# Altium PCB all.PcbDoc (part 2 of 2)
Units mm, origin at the board's own origin, x right, y up, seen from the top; angles counter-clockwise.
Board outline 118.75 x 150 mm, 2 copper layers (Top Layer, Bottom Layer); 188 components, 149 nets, 745 pads, 106 vias.
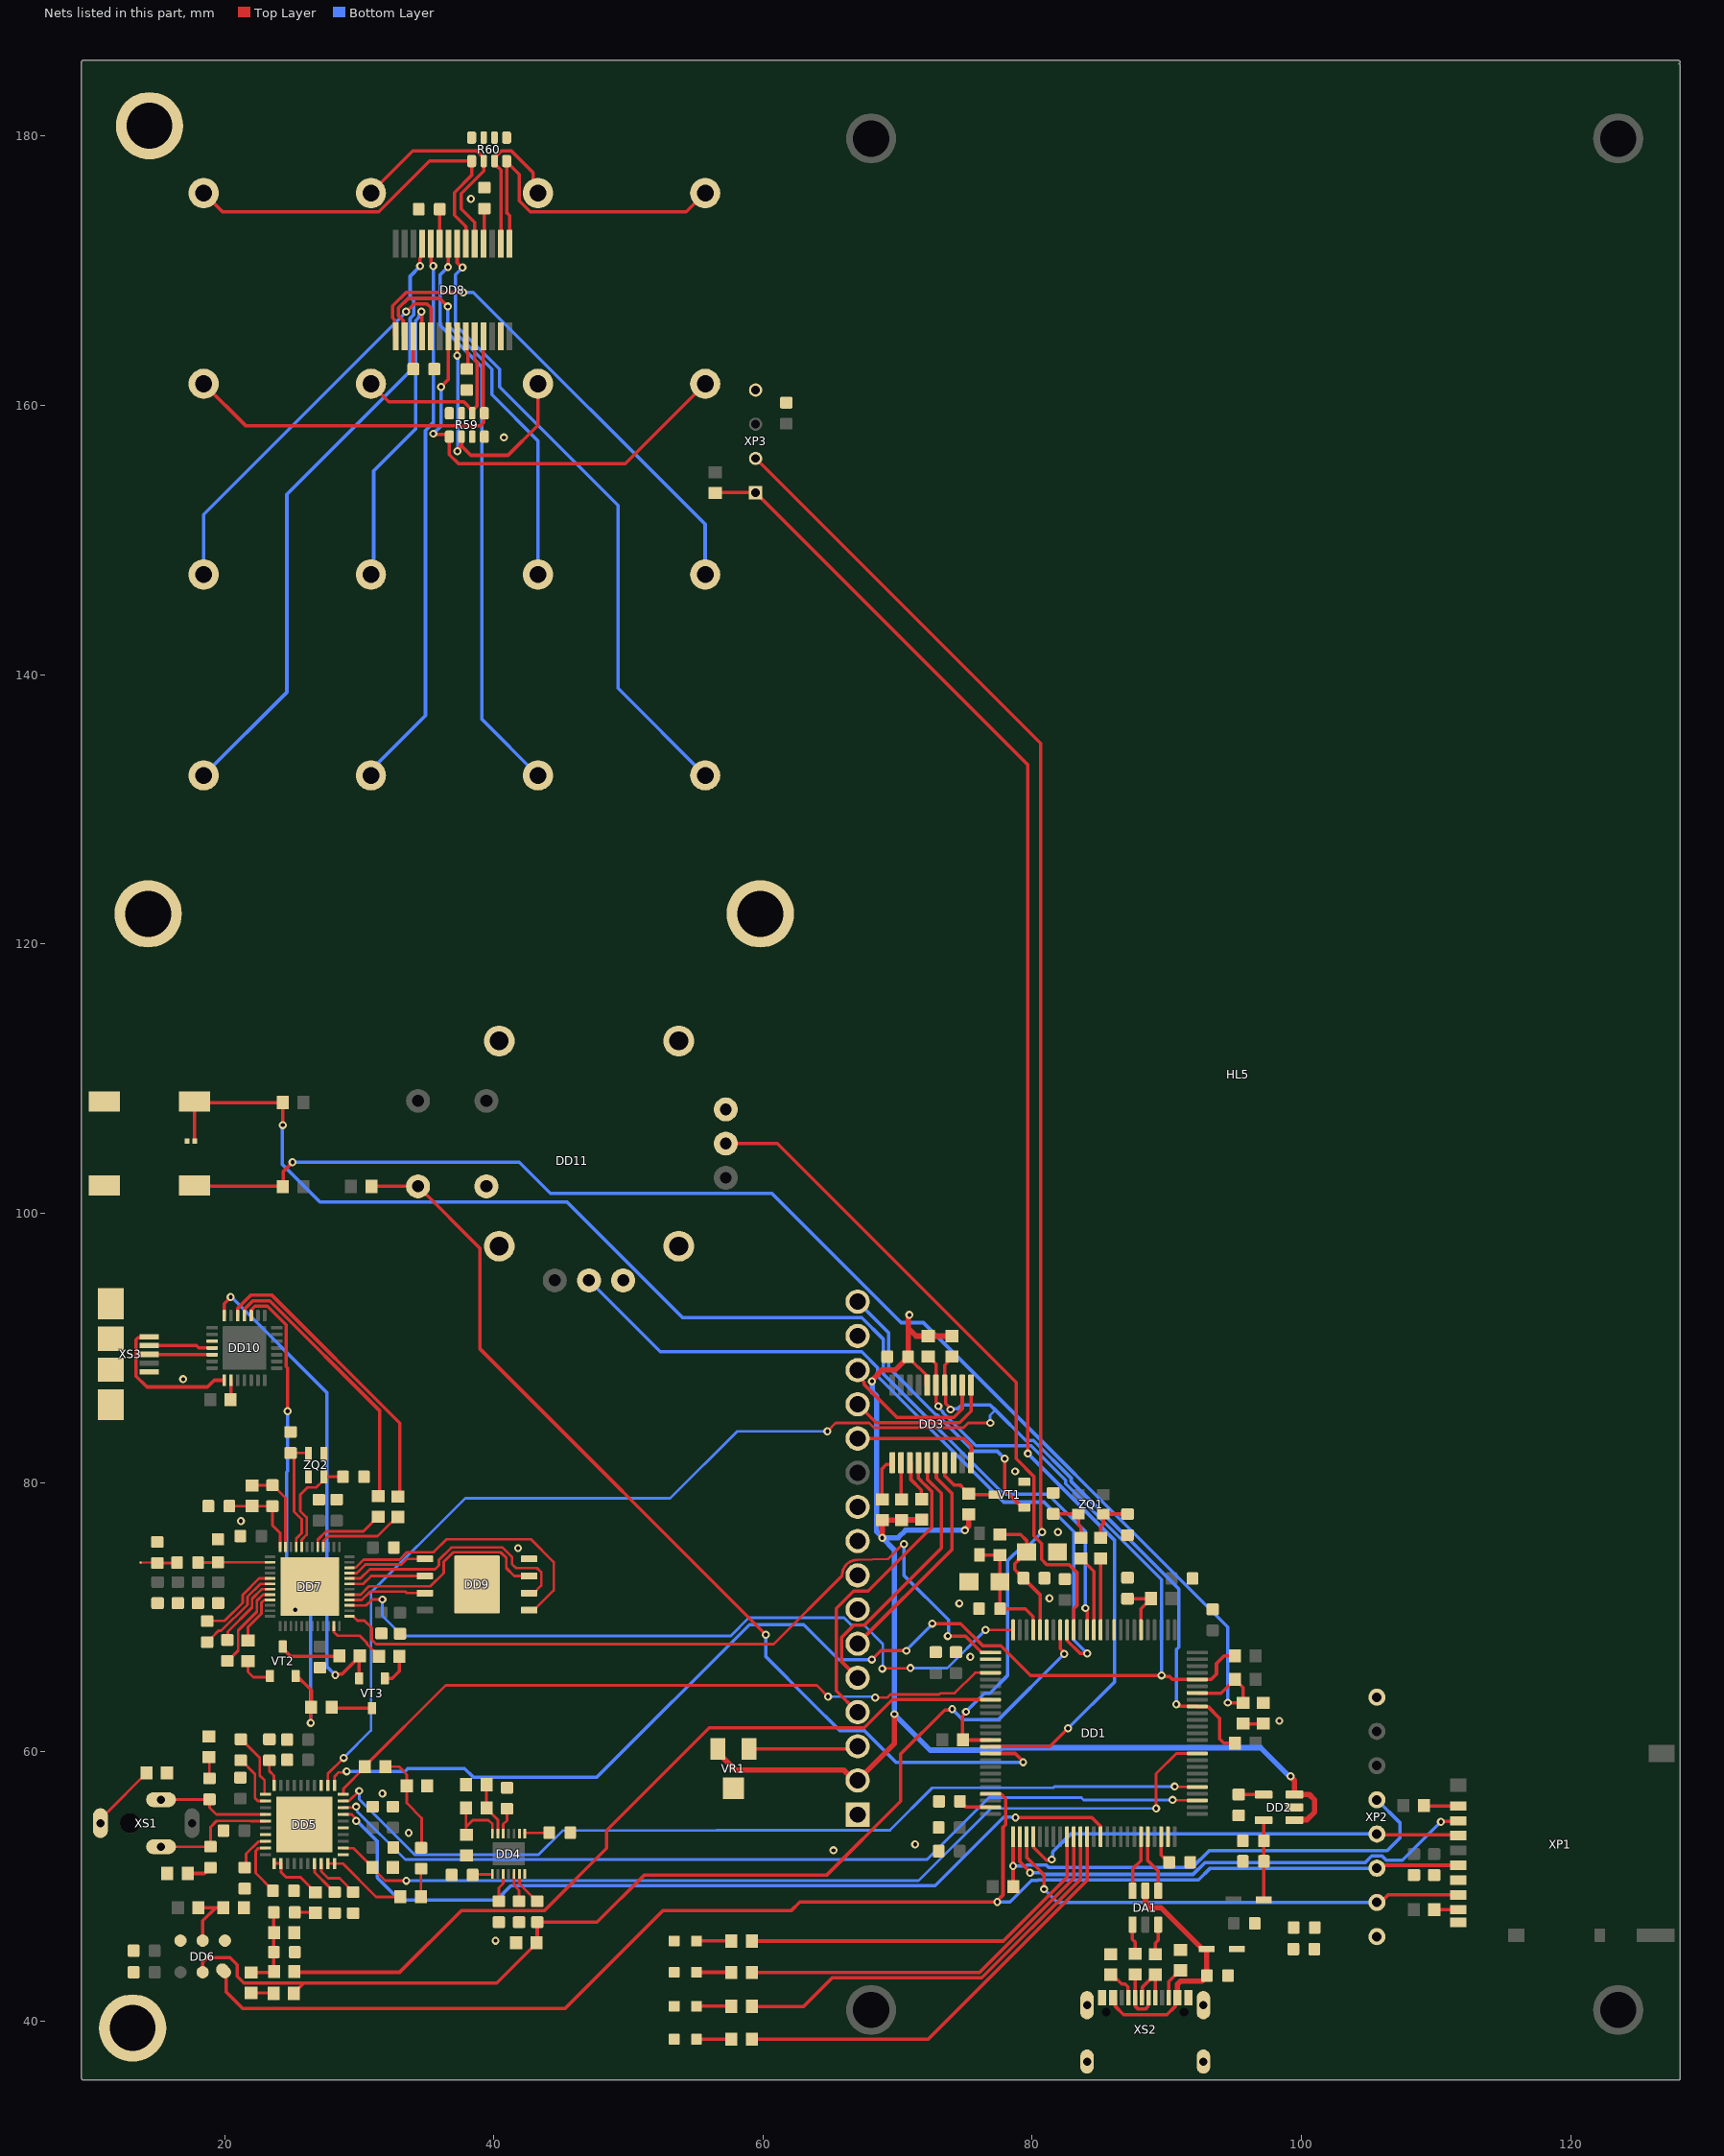
[diagram p2: the nets of this part, all layers, seen from the top]

## Via types
v1: diameter 0.6, hole 0.3, Top Layer to Bottom Layer, 106 vias

## Nets (pads, with @x,y where several pads share a name; then routed paths per layer and width w, separated by ;. In a path a pad name is that pad's centre, name@x,y a point inside that pad or via, vN(x,y) a via of type N, cw(c..) or ccw(c..) an arc to the next point about the centre after c; other vN are vias at no path point) (continued)
5V: C3.2 C6.2 C24.2 DD2.1 DD2.3 DD3.16 HL5.2 R16.2 R17.2 R19.2 R21.2 R22.2 R24.2 VD2.2 VR1.1 | length 104.7
  Top Layer w0.254: C24.2@70.78,89.32 71.547,88.553 71.578,88.553 72.117,88.014 72.117,87.233 DD3.16@72.2,87.15
  Top Layer w0.4: VR1.1@56.525,60.075 57.95,58.65 65.991,58.65 66.771,57.87 HL5.2@67.025,57.87 69.75,60.595 v1(69.75,62.8) ; v1(68.091,87.522) 68.091,87.576 68.529,88.014 68.529,88.074 68.815,88.36 69.82,88.36 70.78,89.32 C24.2@70.78,89.35 70.802,89.372 70.802,91.45 ; v1(68.85,75.9) 68.854,75.903 68.854,77.217 R19.2@68.857,77.22 70.27,77.22 70.282,77.233 71.769,77.233 R24.2@71.782,77.245 ; v1(70.875,92.45) 70.837,92.412 70.837,92.27 70.802,92.236 70.802,91.45 ; R16.2@72.268,90.88 71.373,90.88 70.802,91.45 ; R16.2@72.295,90.88 R17.2@74.018,90.88 ; v1@75.025,76.525 75.282,76.782 R22.2@75.282,77.645 ; v1(99.193,58.19) 99.193,58.136 99.47,57.859 DD2.3@99.47,56.825 100.575,56.825 100.975,56.425 100.975,55.529 100.401,54.954 99.915,54.954 DD2.1@99.86,54.9 ; C3.2@99.395,45.35 C3.2@99.408,45.363 ; C3.2@99.3,45.35 99.35,45.4 99.348,45.398 C3.2@99.3,45.35 ; C6.2@99.408,46.957 99.425,46.975 99.41,46.96 C6.2@99.408,46.957
  Bottom Layer w0.4: v1(68.091,87.522) 68.13,87.484 68.13,86.742 68.45,86.422 68.45,76.354 68.85,75.954 v1(68.85,75.9) ; v1@74.975,76.479 74.946,76.45 70.581,76.45 70.031,75.9 v1(68.85,75.9) ; v1@99.175,58.1 96.975,60.3 77.739,60.3 77.566,60.127 72.423,60.127 v1(69.75,62.8) 69.75,75 v1(68.85,75.9)
  other v1: 75,76.45
BL-: HL5.16 VT1.1 | length 21.6
  Top Layer w0.254: v1(77.95,81.775) 77.95,79.45 79.25,78.15 VT1.1@79.4,78.15
  Bottom Layer w0.254: HL5.16@67.025,93.43 69.325,91.13 69.325,88.559 72.865,85.019 72.944,85.019 75.64,82.323 77.402,82.323 v1(77.95,81.775)
BOOT: DD1.94 R4.1 R13.1 R14.2 SB1.2 | length 103.7
  Top Layer w0.254: SB1.2@18.501,102.025 24.35,102.025 24.35,103.1 v1(25.05,103.8) ; DD1.94@92.275,64.35 94.028,64.35 94.702,65.024 94.737,65.024 R13.1@95.06,65.347 ; v1(94.525,63.65) 95.648,63.65 R14.2@95.668,63.63 95.668,64.774 95.418,65.024 95.383,65.024 R13.1@95.06,65.347 ; R13.1@95.06,65.382 R13.1@95.06,65.347
  Bottom Layer w0.254: v1(25.05,103.8) 41.879,103.8 44.21,101.469 60.651,101.469 70.247,91.873 71.911,91.873 94.525,69.259 v1(94.525,63.65)
CHIP_PU: DD7.9 R45.2 | length 5
  Top Layer w0.2: DD7.9@23.379,71.275 23.377,71.273 22.941,71.273 22.748,71.08 22.748,70.263 21.75,69.265 ; 21.75,69.265 21.75,68.225 21.75,69.265
CLK: DD7.31 DD9.6 | length 5.9
  Top Layer w0.2: DD7.31@29.252,72.477 29.253,72.475 30.3,72.475 30.885,73.06 DD9.6@34.88,73.06
DB5: DD3.10 HL5.12 | length 11.3
  Top Layer w0.254: HL5.12@67.025,83.27 74.905,83.27 75.475,82.7 ; 75.475,82.7 75.475,81.4 75.475,82.7
DB6: DD3.11 HL5.13 | length 11.3
  Top Layer w0.254: HL5.13@67.025,85.81 68.391,84.444 74.592,84.444 75.45,85.302 DD3.11@75.45,87.23
DB7: DD3.12 HL5.14 | length 11.7
  Top Layer w0.254: HL5.14@67.025,88.35 67.025,87.932 67.514,87.442 67.514,87.283 69.949,84.848 74.164,84.848 74.8,85.484 DD3.12@74.8,87.325
DTR: DD10.28 R46.1 VT3.2 | length 37
  Top Layer w0.254: DD10.28@19.975,92.4 19.975,93.287 20.45,93.762 v1(20.45,93.775) ; v1(28.225,65.7) 28.291,65.766 28.723,65.766 R46.1@30,67.043 ; VT3.2@30.025,65.5 30,65.525 R46.1@30,67.043 ; R46.1@30,67.043 30.04,67.083 R46.1@30.04,67.118 30,67.078 R46.1@30,67.043
  Bottom Layer w0.254: v1(20.45,93.775) 20.5,93.775 27.6,86.675 27.6,66.325 v1(28.225,65.7)
E: DD3.6 HL5.6 | length 18
  Top Layer w0.254: HL5.6@67.025,68.03 74.044,75.049 74.044,79.181 72.875,80.35 ; 72.875,80.35 72.875,81.5 72.875,80.35
ESP_RX: DD1.25 DD7.27 | length 55.8
  Top Layer w0.2: DD7.27@29.271,70.875 30.525,70.875 30.965,71.315 31.69,71.315 v1@31.7,71.325 ; v1(68.85,66.175) 68.875,66.2 70.925,66.2 v1(70.95,66.225) ; v1(76.525,69.05) 78.535,69.05 78.575,69.09 DD1.25@78.575,69.1
  Bottom Layer w0.2: v1(31.725,71.315) 31.725,70.1 33.225,68.6 57.601,68.6 58.951,69.95 66.019,69.95 66.549,69.42 67.48,69.42 68.9,68 68.9,66.225 v1(68.85,66.175) ; v1(70.95,66.225) 73.7,66.225 v1(76.525,69.05)
ESP_TX: DD1.26 DD7.25 | length 57.5
  Top Layer w0.2: DD7.25@29.549,70.077 29.876,69.75 30.384,69.75 30.935,69.199 30.935,68.32 31.255,68 60.799,68 65.876,73.076 cw(c67.025,73.11) 66.816,74.241 66.903,74.257 66.994,74.26 cw(c67.025,73.11) 66.997,74.26 69.267,74.318 70.379,75.43 v1@70.47,75.43
  Top Layer w0.254: v1(73.725,68.6) 75.03,68.6 76.242,67.388 76.874,67.388 DD1.26@76.9,67.362
  Bottom Layer w0.254: v1(70.475,75.425) 70.475,73.1 73.775,69.8 73.775,68.65 v1(73.725,68.6)
GND: C1.2 C2.1 C3.1 C4.1 C5.1 C6.1 C7.1 C8.1 C9.2 C10.2 C11.1 C12.1 C13.1 C14.1 C15.1 C16.1 C17.1 C18.1 C19.1 C20.1 C21.1 C22.2 C23.2 C24.1 C25.2 C26.2 C27.2 C28.2 C30.2 C33.1 C34.1 C35.1 C37.1 C39.1 C40.1 C42.2 C43.1 C44.1 C46.1 C47.1 C48.1 C49.1 C50.1 C51.2 C52.2 C53.2 C54.2 C55.2 C56.1 C57.1 C58.1 C59.1 C60.1 C63.1 C65.2 C66.1 C67.1 C68.1 C69.2 C70.1 C71.2 C72.1 C73.2 C74.1 C75.1 C76.1 C77.2 DD1.10 DD1.20 DD1.27 DD1.74 DD2.2 DD3.8 DD3.13 DD4.7 DD4.9 DD5.3 DD5.17 DD5.31 DD5.35 DD5.41 DD6.1 DD6.3 DD7.49 DD8.27 DD9.4 DD9.9 DD10.3 DD11.B2A DD11.H3 DD11.S1 DD11.S2 DD11.S3 DD11.S4 DD11.V3 HL1.2 HL2.2 HL3.2 HL4.2 HL5.1 HL5.7 HL5.8 HL5.9 HL5.10 HL5.15 L2.1 pad. R15.2 R18.1 R20.1 R25.2 R26.1 R27.2 R28.1 R29.2 R34.2 R35.2 R36.2 R47.1 R48.1 R59.3 R59.4 R59.7 R59.8 R60.1 R60.2 R60.3 R60.4 SB1.1 SB2.1 VR1.2 VT1.2 XP1.6 XP1.9 XP2.1 XP2.8 XP3.4 XS2.A1_B12 XS2.B1_A12 XS2.MS XS3.5 XS3.SH1 XS3.SH2 XS3.SH3 XS3.SH4 ZQ2.2 ZQ2.4
  other v1: 40.125,45.975 65.235,52.687 71.3,53.125 33.675,53.975 31.725,56.9 98.35,62.3 75.4,67.05 25.25,70.55 74.575,71.025 81.275,71.4 41.8,75.125 81.9,76.325 21.21,77.137 78.725,80.825 16.925,87.675 40.75,157.625 38.3,175.35
GPIO0: DD7.23 R54.2 | length 4.6
  Top Layer w0.2: DD7.23@28.125,69.329 28.127,69.327 28.127,68.891 28.392,68.625 30.055,68.625 30.587,68.092 30.587,68.011 R54.2@31.525,67.073
Micbias: DD4.13 R20.2 R23.2 | length 4
  Top Layer w0.2: R23.2@39.455,55.82 R20.2@39.455,57.557 ; DD4.13@40.3,53.921 40.3,54.94 R23.2@39.45,55.79 ; R23.2@39.45,55.79 39.45,55.825 R23.2@39.45,55.79
NetA1_1: A1.1 C61.2 C63.2 | length 2.7
  Top Layer w0.16: A1.1@13.75,74.05 C63.2@14.975,74.05
  Top Layer w0.2: C63.2@14.975,74.05 C63.2@15,74.025 ; C63.2@15,74.02 16.42,74.02 C61.2@16.425,74.025
NetC1_1: C1.1 C2.2 DD1.21 R2.1 | length 10
  Top Layer w0.254: R2.1@77.582,76.14 79.135,76.14 79.575,75.7 C1.1@79.575,74.85 79.523,74.85 79,74.327 79,74.274 78.7,73.975 78.7,73.545 79.007,73.238 79.037,73.238 79.345,72.93 C2.2@79.345,72.9 ; C2.2@79.345,72.87 79.653,72.562 79.683,72.562 80.575,71.67 DD1.21@80.575,69.055
NetC4_2: C4.2 C8.2 DD2.5 VD1.1 | length 5.9
  Top Layer w0.254: VD1.1@97.05,48.95 VD1.1@97.065,48.935 ; DD2.5@97.18,54.925 97.205,54.9 C4.2@97.205,53.47 ; VD1.1@97.193,49 97.205,49.012 C8.2@97.205,51.855 ; C8.2@97.205,51.87 C4.2@97.205,53.375 ; C8.2@97.205,51.855 97.225,51.875 97.215,51.865 C8.2@97.205,51.855
NetC5_2: C5.2 DD1.49 | length 2.5
  Top Layer w0.254: C5.2@74.63,56.325 74.63,56.295 74.938,55.987 74.988,55.987 75.087,55.888 76.882,55.888 DD1.49@76.895,55.875
NetC7_2: C7.2 DD2.4 | length 1.9
  Top Layer w0.254: C7.2@95.325,56.83 95.328,56.828 97.178,56.828 DD2.4@97.2,56.85
NetC9_1: C9.1 C10.1 DD1.22 L1.2 R2.2 | length 12.7
  Top Layer w0.254: L1.2@76.1,74.625 76.105,74.62 R2.2@77.582,74.62 ; DD1.22@80.075,68.9 DD1.22@80.062,68.913 ; C9.1@77.605,72.495 77.475,72.625 77.537,72.562 C9.1@77.605,72.495 ; C9.1@77.605,72.495 C10.1@77.605,70.625 79.475,70.625 80.062,70.038 ; DD1.22@80.062,68.913 80.062,70.038 ; DD1.22@80.062,68.913 80.062,70.038 ; C9.1@77.6,72.625 77.6,74.625 C9.1@77.6,72.625
NetC12_2: C12.2 DD1.73 | length 3.5
  Top Layer w0.254: DD1.73@89.575,53.695 89.575,52.35 ; C12.2@90.3,51.525 C12.2@90.3,51.625 ; 89.575,52.35 C12.2@90.3,51.625 ; 89.575,52.35 C12.2@90.3,51.625
NetC21_2: C21.2 DD1.6 R10.1 | length 4.5
  Top Layer w0.254: C21.2@87.105,71.375 88.825,71.375 R10.1@88.85,71.35 ; DD1.6@88.075,68.95 88.075,70.612 R10.1@88.81,71.347
NetC22_1: C22.1 R11.1 ZQ1.1 | length 3.7
  Top Layer w0.254: C22.1@81.55,77.67 ZQ1.1@83.4,77.67 ; R11.1@83.607,75.89 83.607,76.668 83.425,76.85 ZQ1.1@83.425,77.6 ; ZQ1.1@83.425,77.6 83.4,77.625 ZQ1.1@83.425,77.6
NetC23_1: C23.1 R12.1 ZQ1.2 | length 3.6
  Top Layer w0.254: R12.1@85.082,75.89 85.082,76.707 85.275,76.9 85.275,77.575 ZQ1.2@85.3,77.6 ; ZQ1.2@85.275,77.65 85.28,77.655 87.095,77.655 C23.1@87.1,77.65
NetC25_1: C25.1 DD4.12 | length 1.9
  Top Layer w0.2: DD4.12@40.7,53.921 40.7,54.625 40.975,54.9 C25.1@40.975,55.75
NetC26_1: C26.1 DD4.5 | length 2.2
  Top Layer w0.2: DD4.5@41.5,50.975 41.5,50.105 41.875,49.73 C26.1@41.875,48.905
NetC27_1: C27.1 DD4.8 | length 1.4
  Top Layer w0.2: DD4.8@42.3,53.921 42.3,53.983 42.302,53.985 43.685,53.985
NetC28_1: C28.1 DD4.1 | length 1.5
  Top Layer w0.2: C28.1@38.43,50.85 38.48,50.9 DD4.1@39.898,50.9
NetC29_1: C29.1 DD5.15 XS1.2 | length 9.3
  Top Layer w0.2: XS1.2@15.25,52.95 C29.1@18.87,52.95 ; C29.1@18.95,52.975 18.95,54.408 19.407,54.865 21.955,54.865 21.97,54.85 DD5.15@23.029,54.85
NetC29_2: C29.2 R25.1 | length 1.9
  Top Layer w0.254: R25.1@17.265,50.968 18.493,50.968 C29.2@18.975,51.45
NetC30_1: C30.1 DD4.3 | length 2.2
  Top Layer w0.2: C30.1@40.375,48.905 40.375,49.9 40.7,50.225 DD4.3@40.7,50.929
NetC31_1: C31.1 DD4.6 | length 2.4
  Top Layer w0.2: DD4.6@41.905,50.703 41.905,50.195 43.195,48.905 C31.1@43.225,48.905
NetC32_1: C32.1 DD5.14 XS1.3 | length 8.6
  Top Layer w0.2: DD5.14@23.029,55.35 19.4,55.35 18.898,55.852 18.898,56.447 C32.1@18.875,56.47 18.855,56.45 XS1.3@15.3,56.45 ; XS1.3@15.3,56.45 15.275,56.475 15.288,56.462 XS1.3@15.3,56.45
NetC32_2: C32.2 R27.1 | length 1.2
  Top Layer w0.2: R27.1@18.85,59.55 18.875,59.525 C32.2@18.875,58.38
NetC36_1: C36.1 DD5.11 | length 4.8
  Top Layer w0.2: C36.1@21.2,60.93 21.23,60.93 22.61,59.55 22.61,58.244 22.975,57.879 DD5.11@22.975,56.863
NetC36_2: C36.2 DD5.12 | length 4.1
  Top Layer w0.2: C36.2@21.2,59.37 21.23,59.37 22.26,58.34 22.26,56.565 22.475,56.35 DD5.12@23.029,56.35
NetC38_1: C38.1 R32.1 R34.1 | length 7.7
  Top Layer w0.2: R32.1@31.94,58.893 32.042,58.893 32.957,58.893 33.535,58.315 R34.1@33.535,57.457 33.535,56.193 34.65,55.078 C38.1@34.65,52.875
NetC38_2: C38.2 R31.2 | length 2.1
  Top Layer w0.2: R31.2@34.58,49.232 34.58,51.3 C38.2@34.6,51.32
NetC39_2: C39.2 DD5.10 | length 2
  Top Layer w0.2: C39.2@23.325,59.37 23.325,58.575 23.661,58.239 23.661,57.51 DD5.10@23.675,57.496
NetC40_2: C40.2 C45.1 R36.1 R38.1 R40.1 | length 6.1
  Top Layer w0.254: R38.1@21.982,43.615 23.615,43.615 R40.1@23.675,43.675 ; C45.1@23.625,48.1 23.655,48.07 23.655,46.572 R36.1@23.67,46.557 ; C40.2@23.655,45.125 23.655,46.405 R36.1@23.75,46.5 ; R40.1@23.67,43.682 23.655,43.697 23.655,45.08 C40.2@23.675,45.1
NetC41_1: C41.1 DD7.47 R33.2 | length 6.5
  Top Layer w0.2: R33.2@22.043,79.78 22.068,79.805 23.58,79.805 24.525,78.86 DD7.47@24.525,75.2
NetC41_2: C41.2 C50.2 DD7.48 R33.1 | length 8.2
  Top Layer w0.2: R33.1@22.058,78.245 C41.2@23.55,78.245 23.55,76.82 24.125,76.245 DD7.48@24.125,75.175 ; R33.1@22.05,78.25 C50.2@20.355,78.25 R33.1@22.05,78.25 ; R33.1@22.05,78.25 22.052,78.252 R33.1@22.05,78.25
NetC45_2: C45.2 R37.2 | length 1.6
  Top Layer w0.2: C45.2@25.215,48.075 26.7,48.075 R37.2@26.8,47.975
NetC51_1: C51.1 DD5.19 | length 4.2
  Top Layer w0.2: DD5.19@23.029,52.85 23.015,52.836 22.511,52.836 22.3,52.625 22.3,51 23.5,49.8 C51.1@23.5,49.7
NetC54_1: C54.1 DD5.27 | length 2.7
  Top Layer w0.2: DD5.27@26.675,51.704 26.689,51.69 26.689,51.04 27.815,49.914 C54.1@28.143,49.587
NetC55_1: C55.1 DD5.18 | length 2.7
  Top Layer w0.2: C55.1@21.434,51.575 21.598,51.739 21.598,52.418 22.516,53.336 23.015,53.336 DD5.18@23.029,53.35
NetC59_2: C59.2 DD5.28 | length 3.6
  Top Layer w0.2: DD5.28@27.175,51.704 27.189,51.69 27.189,51.111 27.685,50.615 28.535,50.615 C59.2@29.55,49.6
NetC61_1: C61.1 DD7.2 L2.2 | length 5.4
  Top Layer w0.2: L2.2@19.5,74.075 19.475,74.05 C61.1@18.05,74.05 ; L2.2@19.525,74.075 DD7.2@23.379,74.075 ; C61.1@18.05,74.05 18.025,74.075 C61.1@18.05,74.05
NetC62_1: C62.1 DD7.5 | length 5.9
  Top Layer w0.2: 19.176,69.725 19.995,69.725 21.343,71.073 21.343,71.655 22.563,72.875 DD7.5@23.379,72.875 DD7.5@23.4,72.875
NetC62_2: C62.2 DD7.6 | length 6.8
  Top Layer w0.2: C62.2@18.7,68.145 18.725,68.145 19.06,68.479 19.06,68.505 19.545,68.99 19.755,68.99 21.698,70.933 21.698,71.515 22.658,72.475 DD7.6@23.375,72.475
NetC64_1: C64.1 DD7.8 | length 6.6
  Top Layer w0.2: C64.1@20.2,66.745 20.23,66.745 21.008,67.523 21.008,69.018 22.398,70.408 22.398,71.225 22.848,71.675 DD7.8@23.379,71.675
NetC64_2: C64.2 DD7.7 | length 5.4
  Top Layer w0.2: C64.2@20.2,68.305 20.248,68.353 20.248,68.923 22.048,70.723 22.048,71.37 22.751,72.073 23.373,72.073 DD7.7@23.375,72.075
NetC70_2: C70.2 DD8.4 | length 2.6
  Top Layer w0.254: DD8.4@39.225,172.004 39.3,172.079 C70.2@39.3,174.62
NetC71_1: C71.1 DD8.23 | length 4.2
  Top Layer w0.254: 38.014,163.959 DD8.23@38.014,165.211 ; 38.014,163.959 DD8.23@38.014,165.211 ; 38.014,163.959 38.068,163.905 C71.1@38.068,162.823 ; DD8.23@38.014,165.211 37.935,165.29 DD8.23@38.014,165.211 ; C71.1@38.068,162.823 37.945,162.7 C71.1@38.068,162.823
NetC72_2: C72.2 DD8.9 | length 5.4
  Top Layer w0.254: DD8.9@35.975,171.875 DD8.9@35.978,171.877 ; C72.2@35.98,174.575 C72.2@35.978,174.572 ; DD8.9@35.978,171.877 C72.2@35.978,174.572 ; DD8.9@35.978,171.877 C72.2@35.978,174.572
NetC73_1: C73.1 DD8.17 | length 5
  Top Layer w0.254: C73.1@34.02,162.7 C73.1@34.022,162.702 ; DD8.17@34.023,165.148 34.05,165.175 DD8.17@34.022,165.147 ; C73.1@34.022,162.702 DD8.17@34.022,165.147 ; C73.1@34.022,162.702 DD8.17@34.022,165.147
NetDA1_1: DA1.1 R44.1 | length 2.3
  Top Layer w0.254: DA1.1@87.45,47.15 87.425,47.125 87.425,46.075 87.632,45.868 R44.1@87.632,44.99
NetDA1_3: DA1.3 R43.1 | length 2.3
  Top Layer w0.254: R43.1@89.132,44.965 89.132,45.793 89.35,46.011 DA1.3@89.35,47.15
NetDD3_1: DD3.1 R19.1 | length 3.2
  Top Layer w0.254: R19.1@68.832,78.825 68.832,81.007 69.158,81.333 69.517,81.333 69.6,81.416 DD3.1@69.6,81.47
NetDD3_2: DD3.2 R21.1 | length 2.7
  Top Layer w0.254: R21.1@70.25,78.85 DD3.2@70.25,81.5
NetDD3_3: DD3.3 R24.1 | length 3.3
  Top Layer w0.254: R24.1@71.757,78.825 71.753,78.829 71.753,79.447 70.983,80.217 DD3.3@70.983,81.467 ; DD3.3@70.983,81.467 70.875,81.575 DD3.3@70.983,81.467
NetDD3_7: DD3.7 R22.1 VT1.3 | length 5.9
  Top Layer w0.254: DD3.7@73.475,81.5 73.51,81.465 73.51,80.49 74.175,79.825 74.622,79.825 74.924,79.523 R22.1@74.924,79.488 ; VT1.3@77.2,79.1 R22.1@75.312,79.1 ; R22.1@74.924,79.488 R22.1@75.312,79.1 ; R22.1@74.924,79.488 R22.1@75.312,79.1
NetDD4_14: DD4.14 R23.1 R26.2 | length 5
  Top Layer w0.2: R26.2@37.935,53.91 37.935,54.425 ; R23.1@37.935,55.82 37.935,54.425 ; R26.2@38.25,53.8 R26.2@38.31,53.86 ; DD4.14@39.9,53.921 39.9,54.625 39.6,54.925 38.435,54.925 37.935,54.425
NetDD5_21: DD5.21 DD5.22 R37.1 | length 4.4
  Top Layer w0.2: DD5.21@23.675,51.725 24.161,51.725 24.189,51.696 24.189,51.061 24.572,50.678 25.644,50.678 26.372,49.95 26.372,49.915 26.722,49.565 R37.1@26.757,49.565
NetDD5_29: DD5.29 DD5.30 R31.1 | length 6.3
  Top Layer w0.2: DD5.29@27.689,51.704 DD5.30@28.175,51.704 28.774,51.704 31.246,49.232 R31.1@32.935,49.232
NetDD6_2: DD6.2 R30.2 R35.1 | length 4.8
  Top Layer w0.254: R30.2@18.055,48.407 19.325,48.407 ; DD6.2@18.375,45.88 18.375,47.457 19.325,48.407 ; 19.325,48.407 R35.1@19.893,48.407 ; R35.1@19.893,48.407 19.925,48.375 19.901,48.399 R35.1@19.893,48.407
NetDD10_4: DD10.4 XS3.2 | length 4.7
  Top Layer w0.254: XS3.2@14.4,90.175 17.915,90.175 18.09,90 18.133,90 DD10.4@19.075,90
NetDD10_5: DD10.5 XS3.3 | length 4.7
  Top Layer w0.254: XS3.3@14.4,89.525 14.412,89.513 18.718,89.513 19.062,89.513 DD10.5@19.075,89.5
NetDD10_8: DD10.8 XS3.1 | length 10.9
  Top Layer w0.254: XS3.1@14.4,90.825 14.327,90.752 13.572,90.752 13.423,90.603 13.423,87.91 14.235,87.098 18.735,87.098 19.237,87.6 DD10.8@19.975,87.6
NetDD10_9: DD10.9 R56.2 | length 1.3
  Top Layer w0.254: R56.2@20.462,86.273 20.462,87.587 DD10.9@20.475,87.6
NetDD10_25: DD10.25 R58.1 | length 20.5
  Top Layer w0.254: DD10.25@21.488,92.388 21.488,92.9 22.094,93.506 23.356,93.506 31.507,85.355 R58.1@31.507,78.99
NetDD10_26: DD10.26 R57.1 | length 22.3
  Top Layer w0.254: DD10.26@20.975,92.4 20.988,92.413 20.988,92.971 21.927,93.91 23.523,93.91 33.025,84.408 R57.1@33.025,79.025
NetHL1_1: HL1.1 R1.2 | length 5.2
  Top Layer w0.254: R1.2@57.8,45.975 R1.2@57.775,45.95 ; R1.2@57.775,45.95 55.2,45.95 R1.2@57.775,45.95
NetHL2_1: HL2.1 R3.2 | length 5.2
  Top Layer w0.254: R3.2@57.8,43.6 R3.2@57.775,43.625 ; R3.2@57.775,43.625 55.175,43.625 R3.2@57.775,43.625
NetHL3_1: HL3.1 R6.2 | length 5.3
  Top Layer w0.254: R6.2@57.825,41.075 R6.2@57.8,41.1 ; R6.2@57.8,41.1 55.15,41.1 R6.2@57.8,41.1
NetHL4_1: HL4.1 R8.2 | length 5.3
  Top Layer w0.254: HL4.1@55.05,38.65 57.675,38.65 HL4.1@55.05,38.65
NetHL5_3: HL5.3 VR1.3 | length 8.2
  Top Layer w0.254: VR1.3@58.95,60.2 66.815,60.2 HL5.3@67.025,60.41
NetR14_1: R14.1 R15.1 | length 1.5
  Top Layer w0.254: R14.1@95.668,62.11 95.703,62.075 R15.1@97.175,62.075
NetR18_2: R18.2 XS1.1 | length 5.6
  Top Layer w0.2: R18.2@14.195,58.443 14.195,58.408 11.215,55.428 11.194,55.428 XS1.1@10.75,54.983 ; XS1.1@10.75,54.983 10.75,54.65 XS1.1@10.75,54.983
NetR38_2: R38.2 R39.1 | length 1.8
  Top Layer w0.2: R38.2@21.982,42.095 23.77,42.095 R39.1@23.775,42.1
NetR41_1: R41.1 XP1.1 | length 5.4
  Top Layer w0.254: R41.1@109.075,55.975 XP1.1@111.65,55.975 R41.1@109.075,55.975 ; R41.1@109.075,56.1 109.15,56.025 109.124,56.051 R41.1@109.075,56.1
NetR42_1: R42.1 XP1.8 | length 1.9
  Top Layer w0.254: XP1.8@111.675,48.3 XP1.8@111.65,48.275 R42.1@109.922,48.275 ; R42.1@109.922,48.275 109.865,48.218 R42.1@109.922,48.275
NetR43_2: R43.2 XS2.A6 XS2.B6 | length 3.9
  Top Layer w0.254: XS2.A6@88.15,41.675 88.163,41.688 88.163,42.511 89.097,43.445 R43.2@89.132,43.445 ; XS2.B6@89.14,41.74 R43.2@89.14,43.437
NetR44_2: R44.2 XS2.A7 XS2.B7 | length 4.3
  Top Layer w0.254: R44.2@87.625,43.5 87.64,43.485 XS2.B7@87.64,41.74 ; XS2.B7@87.65,41.85 87.663,41.837 87.663,41.1 87.875,40.888 88.405,40.888 88.617,41.1 88.617,41.717 XS2.A7@88.64,41.74
NetR45_1: R45.1 VT2.1 | length 2.6
  Top Layer w0.2: R45.1@21.743,66.735 21.743,65.932 22.125,65.55 23.3,65.55 VT2.1@23.35,65.6
NetR46_2: R46.2 VT2.3 | length 4.6
  Top Layer w0.254: VT2.3@24.325,67.825 24.325,67.675 24.907,67.093 28.495,67.093 R46.2@28.52,67.068
NetR47_2: R47.2 XS2.B5 | length 2.4
  Top Layer w0.254: XS2.B5@90.14,41.74 90.14,42.938 90.972,43.77 R47.2@91.007,43.77
NetR48_2: R48.2 XS2.A5 | length 3.1
  Top Layer w0.254: XS2.A5@87.14,41.74 87.117,41.763 87.117,42.533 86.899,42.751 86.649,42.751 86.278,43.122 R48.2@86.028,43.122 ; R48.2@86.028,43.122 85.7,43.45 R48.2@86.028,43.122
NetR52_2: R52.2 VT3.3 | length 3
  Top Layer w0.254: R52.2@27.955,63.307 28.012,63.25 VT3.3@30.975,63.25
NetR54_1: R54.1 VT3.1 | length 3.6
  Top Layer w0.254: VT3.1@31.9,65.45 32.45,65.45 32.975,65.975 ; 32.975,65.975 32.975,67.15 32.975,65.975
NRST: C11.2 DD1.14 R5.1 SB2.2 | length 93.8
  Top Layer w0.254: SB2.2@17.725,108.25 17.781,108.194 C11.2@17.781,105.35 ; SB2.2@17.875,108.225 24.275,108.225 R5.1@24.325,108.275 ; v1(24.325,106.55) 24.325,108.222 R5.1@24.335,108.232 ; v1(83.95,70.675) 83.95,70.581 84.075,70.456 DD1.14@84.075,69.055
  Bottom Layer w0.254: v1(24.325,106.55) 24.275,106.5 24.275,103.65 27.091,100.834 45.44,100.834 54.021,92.253 67.327,92.253 68.921,90.659 68.921,88.079 77.869,79.131 81.169,79.131 83.95,76.35 v1(83.95,70.675)
PA4: DD1.29 DD5.40 R32.2 | length 53
  Top Layer w0.2: DD5.40@28.821,56.85 28.821,57.259 30.438,58.875 30.5,58.938 R32.2@30.5,58.95 ; R32.2@30.42,58.893 30.42,58.928 36.417,64.925 64,64.925 v1(64.825,64.1) ; v1(68.325,64.025) 69.231,64.025 69.458,64.252 73.08,64.252 73.182,64.354 74.236,64.354 75.757,65.875 DD1.29@77,65.875
  Bottom Layer w0.2: v1(64.825,64.1) 68.25,64.1 v1(68.325,64.025)
PB6: DD1.92 DD3.14 DD5.2 R7.1 R17.1 | length 110.7
  Top Layer w0.2: DD5.2@27.675,57.496 27.675,58.375 v1@28.825,59.525 ; v1(64.775,83.8) 65.395,84.42 67.882,84.42 68.235,84.067 74.886,84.067 75.244,84.425 v1(76.875,84.425)
  Top Layer w0.254: v1(73.925,85.425) 73.925,85.519 73.576,85.868 73.576,87.154 DD3.14@73.5,87.23 73.5,88.725 74.025,89.25 R17.1@74.025,89.4 ; v1@90.675,63.525 90.794,63.525 90.944,63.375 DD1.92@92.255,63.375 ; DD1.92@92.2,63.388 92.226,63.362 93.039,63.362 93.923,62.478 93.923,60.952 94.243,60.632 R7.1@95.06,60.632
  Bottom Layer w0.2: v1(28.85,59.55) 30.875,61.575 30.875,71.828 37.872,78.825 53.1,78.825 58.075,83.8 v1(64.775,83.8) ; v1(76.875,84.425) 76.875,85 77.258,85.383
  Bottom Layer w0.254: v1(73.925,85.425) 73.991,85.491 74.474,85.491 74.733,85.75 76.891,85.75 77.258,85.383 79.51,83.131 80.081,83.131 82.885,80.327 82.885,80.083 90.875,72.093 90.875,67.78 90.7,67.605 v1(90.7,63.525)
PB9: DD1.96 DD3.15 DD5.1 R9.1 R16.1 | length 111.2
  Top Layer w0.2: DD5.1@28.175,57.496 28.175,58.166 28.483,58.473 28.998,58.473 v1(29.075,58.55)
  Top Layer w0.254: v1(68.075,66.85) 68.75,67.525 70.625,67.525 v1(70.65,67.5) ; R16.1@72.25,89.388 72.85,88.788 72.85,85.944 73.025,85.769 v1(73.025,85.675) ; v1(72.575,69.525) 74.676,69.525 76.326,67.875 77.666,67.875 79.866,65.675 v1(89.6,65.675) ; v1@89.6,65.7 89.691,65.609 90.174,65.609 90.408,65.375 DD1.96@92.255,65.375 ; DD1.96@92.255,65.384 92.259,65.388 93.288,65.388 93.683,65.783 93.683,66.558 94.257,67.132 R9.1@95.06,67.132
  Bottom Layer w0.254: v1(29.075,58.55) 33.404,58.55 33.604,58.75 37.839,58.75 38.464,58.125 47.659,58.125 58.984,69.45 63.016,69.45 65.613,66.853 68.072,66.853 v1(68.075,66.85) ; v1(70.65,67.5) 70.65,67.55 72.575,69.475 v1(72.575,69.525) ; v1(73.025,85.675) 73.025,85.581 73.348,85.258 73.348,85.186 75.807,82.727 79.914,82.727 82.481,80.16 82.481,79.915 89.6,72.796 v1(89.6,65.675)
PB10: DD1.47 DD6.6 XP1.5 XP2.6 | length 107.3
  Top Layer w0.254: DD6.6@19.925,43.73 20.11,43.545 20.11,42.165 21.325,40.95 45.3,40.95 52.543,48.193 62.08,48.193 62.737,48.85 v1(77.4,48.85) 77.4,48.944 77.825,49.369 77.825,54.392 78.025,54.592 78.025,56.516 77.679,56.862 76.908,56.862 DD1.47@76.895,56.875 ; XP2.6@105.6,51.375 105.774,51.549 106.231,51.549 106.257,51.575 XP1.5@111.65,51.575
  Bottom Layer w0.254: v1(77.4,48.85) 78.35,48.85 79.948,50.448 80.407,50.448 80.436,50.477 92.343,50.477 93.221,51.355 XP2.6@105.6,51.355
PB12: DD1.51 R49.1 XP2.4 | length 36.6
  Top Layer w0.254: R49.1@78.575,50.35 DD1.51@78.575,53.695
  Bottom Layer w0.254: v1(78.575,51.525) 79.509,51.525 79.586,51.602 81.034,51.602 81.211,51.425 91.902,51.425 93.148,52.671 106.145,52.671 106.153,52.663 106.363,52.663 107.325,53.625 107.325,54.71 XP2.4@105.6,56.435
PB13: DD1.52 XP1.2 | length 36.7
  Top Layer w0.254: DD1.52@79.075,53.625 79.075,51.833 79.825,51.083 v1(79.825,51.025) ; v1@110.325,54.775 110.387,54.837 111.612,54.837 XP1.2@111.65,54.875
  Bottom Layer w0.254: v1(79.825,51.025) 80.671,51.025 80.802,50.894 91.942,50.894 92.823,51.775 104.73,51.775 105.222,52.267 105.978,52.267 106.295,51.95 107.5,51.95 v1(110.35,54.8)
PB14: DD1.53 XP1.7 XP2.7 | length 36.2
  Top Layer w0.254: DD1.53@79.575,53.695 79.575,52.168 80.875,50.868 v1(80.875,49.8) ; XP1.7@111.65,49.375 106.435,49.375 XP2.7@105.885,48.825 ; XP2.7@105.885,48.825 105.575,48.825 XP2.7@105.885,48.825
  Bottom Layer w0.254: v1(80.875,49.8) 81.86,48.815 XP2.7@105.6,48.815
PB15: DD1.54 XP1.3 XP2.5 | length 39.8
  Top Layer w0.254: DD1.54@80.088,53.638 80.088,52.911 81.058,51.941 81.389,51.941 v1(81.45,52.002) ; XP2.5@105.575,53.85 XP2.5@105.59,53.835 ; XP1.3@111.65,53.775 XP1.3@111.59,53.835 ; XP2.5@105.59,53.835 XP1.3@111.59,53.835 ; XP2.5@105.59,53.835 XP1.3@111.59,53.835
  Bottom Layer w0.254: v1(81.45,52.002) 81.516,52.068 81.516,52.566 82.845,53.895 XP2.5@105.6,53.895
PC1: DD1.16 DD11.H2 | length 50.3
  Top Layer w0.254: DD11.H2@57.23,105.175 61.05,105.175 78.798,87.427 78.798,81.767 80.127,80.438 80.127,76.043 80.7,75.47 80.7,74.28 81.072,73.908 82.742,73.908 83.317,73.333 83.317,70.859 83.075,70.617 DD1.16@83.075,69
PC2: DD1.17 DD11.V2 | length 56.3
  Top Layer w0.254: DD1.17@82.575,69.055 82.588,69.042 82.588,68.271 83.559,67.3 v1(84.075,67.3)
  Bottom Layer w0.254: DD11.V2@47.06,95.025 52.372,89.713 67.327,89.713 68.517,88.523 68.517,87.912 77.881,78.548 80.877,78.548 83.075,76.35 83.075,68.3 v1(84.075,67.3)
PC3: C31.2 DD1.18 DD6.5 R28.2 R39.2 | length 82.5
  Top Layer w0.254: DD6.5@18.375,43.625 18.375,44.35 18.75,44.725 20.4,44.725 20.95,44.175 20.95,43.32 21.448,42.822 25.888,42.822 ; R39.2@25.155,42.057 25.155,42.092 25.888,42.825 26.3,42.825 ; 26.3,42.822 40.205,42.822 R28.2@42.852,45.47 ; R28.2@43.1,45.692 R28.2@43.1,45.85 ; C31.2@43.2,47.375 43.225,47.35 43.225,45.877 R28.2@43.205,45.857 ; C31.2@43.225,47.345 47.674,47.345 51.159,50.83 64.717,50.83 70.227,56.34 70.227,59.843 73.493,63.109 73.984,63.109 v1(74.05,63.175) ; DD1.18@82.075,69.055 82.075,67.669 82.375,67.369 v1(82.375,67.275)
  Bottom Layer w0.254: v1(74.05,63.175) 74.852,62.373 77.473,62.373 v1(82.375,67.275)
PC4: DD1.33 R40.2 | length 60.4
  Top Layer w0.254: R40.2@25.606,43.625 33,43.625 37.568,48.193 43.741,48.193 48.375,52.827 48.375,54.15 55.998,61.773 67.513,61.773 69.615,63.875 DD1.33@76.887,63.875
PC7: DD1.64 DD5.37 | length 64.2
  Top Layer w0.2: DD5.37@28.825,55.35 29.45,55.35 29.697,55.103 29.697,54.95 v1(29.774,54.874)
  Top Layer w0.254: v1(78.752,55.121) 84.42,55.121 85.062,54.479 DD1.64@85.062,53.663
  Bottom Layer w0.254: v1(29.774,54.874) 29.833,54.874 31.35,53.356 31.35,50.65 33.025,48.975 40.2,48.975 41.273,50.048 72.773,50.048 77.875,55.15 78.723,55.15 v1(78.752,55.121)
PC10: DD1.78 DD5.38 | length 67.3
  Top Layer w0.2: DD5.38@28.821,55.85 28.835,55.864 29.714,55.864 v1(29.774,55.924) ; v1(90.425,56.425) 90.45,56.4 92.325,56.4 DD1.78@92.35,56.375
  Bottom Layer w0.2: v1(29.774,55.924) 29.85,55.847 29.85,55.575 33.425,52 72.175,52 76.775,56.6 83.646,56.6 83.821,56.425 v1(90.425,56.425)
PC12: DD1.80 DD5.39 | length 68.2
  Top Layer w0.2: DD5.39@28.821,56.35 28.835,56.364 29.268,56.364 v1(30,57.096) ; v1(90.575,57.425) 90.6,57.4 92.23,57.4 DD1.80@92.255,57.375
  Bottom Layer w0.2: v1(30,57.096) 30,56.475 34.125,52.35 43.313,52.35 45.113,54.15 56.525,54.15 56.555,54.18 69.43,54.18 72.575,57.325 81.546,57.325 81.646,57.425 v1(90.575,57.425)
PD4: DD1.85 DD5.32 R29.1 | length 69.9
  Top Layer w0.2: DD5.32@28.821,52.85 28.835,52.836 29.591,52.836 30.635,51.792 30.985,51.442 30.985,51.372 31.932,50.425 v1(33.5,50.425) ; v1(89.2,55.8) 89.2,58.367 90.708,59.875 DD1.85@92.275,59.875
  Bottom Layer w0.2: v1(33.5,50.425) 71.55,50.425 76.925,55.8 v1(89.2,55.8)
PD12: DD1.59 R1.1 | length 28.5
  Top Layer w0.254: R1.1@59.165,45.943 77.834,45.943 82.575,50.684 DD1.59@82.575,53.762
PD13: DD1.60 R3.1 | length 29.9
  Top Layer w0.254: R3.1@59.165,43.618 76.08,43.618 83.075,50.613 DD1.60@83.075,53.675
PD14: DD1.61 R6.1 | length 31.4
  Top Layer w0.254: R6.1@59.165,41.093 63.018,41.093 65.139,43.214 76.248,43.214 83.575,50.541 DD1.61@83.575,53.662
PD15: DD1.62 R8.1 | length 33.1
  Top Layer w0.254: R8.1@59.165,38.643 72.248,38.643 84.075,50.47 DD1.62@84.075,53.737
PE8: DD1.39 R51.1 XP3.2 | length 109
  Top Layer w0.254: XP3.2@59.45,156.065 80.625,134.89 80.625,76.647 80.659,76.613 80.659,76.391 v1(80.725,76.325) ; v1(75.075,62.975) 75.075,62.881 74.825,62.631 74.825,60.908 74.858,60.875 DD1.39@76.895,60.875
  Bottom Layer w0.254: v1(75.075,62.975) 76.447,64.347 76.847,64.347 78.152,65.652 78.152,74.177 79.305,75.33 79.73,75.33 v1(80.725,76.325)
PE9: DD1.40 R50.1 XP3.1 | length 113.6
  Top Layer w0.254: R50.1@56.5,153.575 56.55,153.525 XP3.1@59.45,153.525 79.675,133.3 v1(79.675,82.15) ; DD1.40@76.895,60.375 76.908,60.388 81.299,60.388 v1(82.65,61.739)
  Bottom Layer w0.254: v1(79.675,82.15) 86.125,75.7 86.125,65.214 v1(82.65,61.739)
PE10: DD1.41 DD11.B1A R53.1 | length 74.1
  Top Layer w0.254: R53.1@30.915,101.993 30.922,102 DD11.B1A@34.3,102 ; DD11.B1A@34.37,102 38.983,97.387 38.983,89.917 v1(60.2,68.7) ; DD1.41@76.895,59.875 78.731,59.875 79.325,59.281 v1(79.325,59.225)
  Bottom Layer w0.254: v1(60.2,68.7) 60.2,67.075 63.495,63.78 65.688,61.587 67.513,61.587 69.875,59.225 v1(79.325,59.225)
PH0: DD1.12 R12.2 | length 5.3
  Top Layer w0.254: DD1.12@85.075,69.025 85.075,74.363 R12.2@85.082,74.37
PH1: DD1.13 R11.2 | length 5.8
  Top Layer w0.254: R11.2@83.607,74.37 83.642,74.37 83.965,74.047 83.965,74.012 84.575,73.402 DD1.13@84.575,68.975
R/W: DD3.5 HL5.5 | length 22.2
  Top Layer w0.254: DD3.5@72.2,81.47 72.2,80.245 73.25,79.195 73.25,75.13 67.513,69.393 66.723,69.393 65.848,68.518 65.848,66.677 ; 65.848,66.677 67.075,65.45 67.03,65.495 65.848,66.677
RS: DD3.4 HL5.4 | length 23.1
  Top Layer w0.254: HL5.4@67,62.975 65.444,64.531 65.444,70.654 66.723,71.933 67.799,71.933 72.544,76.678 72.544,79.33 72.47,79.404 72.054,79.819 72.04,79.819 71.55,80.309 DD3.4@71.55,81.47
RTS: DD10.24 R52.1 VT2.2 | length 38.3
  Top Layer w0.254: DD10.24@21.975,92.4 21.988,92.413 21.988,92.829 22.261,93.102 23.189,93.102 24.577,91.714 24.577,88.603 24.675,88.505 v1(24.675,85.3) ; VT2.2@25.275,65.875 25.275,65.725 26.45,64.55 26.45,63.322 26.4,63.272 v1(26.4,62.15)
  Bottom Layer w0.254: v1(24.675,85.3) 24.675,80.839 24.598,80.762 24.598,72.327 26.4,70.525 v1(26.4,62.15)
RX: DD7.41 R58.2 | length 5.7
  Top Layer w0.2: DD7.41@26.925,75.221 26.927,75.223 26.927,75.754 27.55,76.377 30.314,76.377 31.022,77.085 31.022,77.12 31.372,77.47 R58.2@31.407,77.47
SCS: DD7.34 DD9.1 | length 21.3
  Top Layer w0.2: DD7.34@29.275,73.675 29.277,73.677 29.729,73.677 30.328,74.275 33,74.275 33.555,74.83 35.53,74.83 36.483,75.783 42.767,75.783 44.45,74.1 44.45,72 43.12,70.67 42.97,70.52 DD9.1@42.62,70.52
SDI: DD7.33 DD9.5 | length 6.1
  Top Layer w0.2: DD7.33@29.271,73.275 29.273,73.277 29.824,73.277 30.458,73.91 33.13,73.91 33.55,74.33 34.92,74.33 DD9.5@34.95,74.3
SDO: DD7.32 DD9.2 | length 18.6
  Top Layer w0.2: DD7.32@29.3,72.875 30.1,72.875 30.785,73.56 35.635,73.56 35.929,73.854 35.929,74.253 36.851,75.175 40.649,75.175 41.35,74.474 41.35,73.95 41.65,73.65 43.212,73.65 43.525,73.337 43.525,72.345 42.97,71.79 DD9.2@42.62,71.79
SHD: DD7.28 DD9.7 | length 5.9
  Top Layer w0.2: DD7.28@29.271,71.275 30.195,71.275 30.82,71.9 33.439,71.9 33.549,71.79 DD9.7@34.88,71.79
SWP: DD7.29 DD9.3 | length 16.3
  Top Layer w0.2: DD7.29@29.271,71.675 29.273,71.677 30.102,71.677 30.715,72.29 35.292,72.29 36.279,73.277 36.279,74.108 36.996,74.825 40.504,74.825 40.925,74.404 40.925,73.65 41.515,73.06 DD9.3@42.62,73.06
TP0: DD8.6 R60.5 TP16.1 | length 29.1
  Top Layer w0.254: TP16.1@18.45,175.775 19.852,174.373 31.447,174.373 35.229,178.155 R60.5@38.35,178.155 38.35,177.079 37.075,175.804 37.075,174.125 37.925,173.275 DD8.6@37.925,172.004
TP1: DD8.5 R60.6 TP15.1 | length 17.3
  Top Layer w0.254: TP15.1@30.892,175.8 33.989,178.897 38.733,178.897 39.25,178.38 R60.6@39.25,178.155 39.25,177.408 37.575,175.733 37.575,174.6 38.575,173.6 DD8.5@38.575,172.004
TP2: DD8.2 R60.7 TP14.1 | length 12.4
  Top Layer w0.254: R60.7@40.05,178.155 40.05,177.93 40.163,177.817 40.191,177.817 40.525,177.483 DD8.2@40.525,171.825 ; TP14.1@43.283,175.775 42.921,176.137 42.921,177.281 41.305,178.897 40.567,178.897 R60.7@40.025,178.355 ; R60.7@40.025,178.355 40.025,178.125 R60.7@40.025,178.355
TP3: DD8.1 R60.8 TP13.1 | length 24.2
  Top Layer w0.254: R60.8@40.95,178.155 40.95,174.325 41.175,174.1 DD8.1@41.175,172.004 ; R60.8@40.99,178.013 41.16,177.844 41.206,177.844 41.881,177.169 41.881,175.194 42.703,174.373 54.298,174.373 TP13.1@55.7,175.775
TP4: DD8.25 R59.1 TP12.1 | length 28.6
  Top Layer w0.254: TP12.1@18.458,161.6 21.556,158.502 39.027,158.502 39.254,158.729 39.254,159.374 R59.1@39.3,159.42 39.225,159.495 DD8.25@39.225,165.146
TP5: DD8.24 R59.2 TP11.1 | length 14.5
  Top Layer w0.254: TP11.1@30.975,161.5 32.2,160.275 37.771,160.275 38.117,159.929 38.117,159.907 38.266,159.758 38.287,159.758 R59.2@38.4,159.645 ; R59.2@38.4,159.758 R59.2@38.4,159.42 R59.2@38.4,159.645 ; DD8.24@38.55,165.175 38.575,165.15 38.575,163.358 38.742,163.191 38.742,161.5 ; 38.75,161.5 38.75,159.967 38.541,159.758 38.513,159.758 R59.2@38.4,159.645
TP6: DD8.22 R59.6 TP10.1 | length 19.7
  Top Layer w0.254: v1(37.275,163.7) DD8.22@37.275,165.146 ; v1(37.3,156.6) 37.3,156.694 37.487,156.881 37.487,157 ; R59.6@37.6,157.68 37.6,157.455 37.6,157 38.3,156.3 41.05,156.3 43.283,158.533 TP10.1@43.283,161.608
  Bottom Layer w0.254: v1(37.275,163.7) 37.327,163.648 37.327,156.627 v1(37.3,156.6)
TP7: DD8.21 R59.5 TP9.1 | length 32.1
  Top Layer w0.254: v1(35.5,157.9) 35.566,157.834 36.546,157.834 R59.5@36.7,157.68 36.7,156.359 37.384,155.675 49.767,155.675 TP9.1@55.725,161.633 ; v1(36.077,161.375) 36.625,161.923 DD8.21@36.625,165.146
  Bottom Layer w0.254: v1(35.5,157.9) 36.077,158.477 v1(36.077,161.375)
TP8: DD8.19 TP8.1 | length 29.9
  Top Layer w0.254: v1(33.475,166.975) 33.525,166.975 34.098,167.548 35.027,167.548 35.325,167.25 DD8.19@35.325,165.1
  Bottom Layer w0.254: TP8.1@18.3,147.725 18.45,147.875 18.45,151.9 33.475,166.925 v1(33.475,166.975)
TP9: DD8.18 TP7.1 | length 22.6
  Top Layer w0.254: v1(34.629,166.971) 34.652,166.948 34.652,165.169 DD8.18@34.675,165.146
  Bottom Layer w0.254: TP7.1@31.075,147.65 31.075,155.139 34.189,158.254 34.189,166.302 34.456,166.569 34.456,166.704 34.629,166.877 v1(34.629,166.971)
TP10: DD8.16 TP6.1 | length 28.8
  Top Layer w0.254: DD8.16@33.375,165.146 33.286,165.235 33.286,166.298 32.898,166.686 32.898,167.214 33.636,167.952 35.97,167.952 36.572,167.35 v1(36.575,167.35)
  Bottom Layer w0.254: v1(36.575,167.35) 36.575,165.969 39.85,162.694 39.85,160.8 43.283,157.367 43.283,147.817 TP6.1@43.3,147.8
TP11: DD8.15 TP5.1 | length 36.7
  Top Layer w0.254: DD8.15@32.725,165.146 32.636,165.235 32.636,166.377 32.494,166.519 32.494,167.394 33.5,168.4 v1(37.729,168.4)
  Bottom Layer w0.254: v1(37.729,168.4) 38.474,168.4 55.7,151.174 TP5.1@55.7,147.575
TP12: DD8.11 TP4.1 | length 46.3
  Top Layer w0.254: v1@34.525,170.375 34.525,170.953 34.586,171.015 34.586,171.915 DD8.11@34.675,172.004
  Bottom Layer w0.254: TP4.1@18.5,132.575 24.625,138.7 24.625,153.384 33.785,162.544 33.785,166.469 34.052,166.736 34.052,166.965 34.052,167.748 33.785,168.015 33.785,169.593 34.525,170.333 v1(34.525,170.35)
TP13: DD8.10 TP3.1 | length 41.4
  Top Layer w0.254: DD8.10@35.325,172.004 35.325,170.619 35.5,170.444 v1@35.5,170.4
  Bottom Layer w0.254: TP3.1@30.867,132.525 30.867,132.917 34.923,136.973 34.923,158.139 35.5,158.716 v1(35.5,170.35)
TP14: DD8.8 TP2.1 | length 42.7
  Top Layer w0.254: v1@36.613,170.312 36.613,171.991 DD8.8@36.625,172.004
  Bottom Layer w0.254: v1(36.6,170.275) 35.998,169.673 35.998,165.975 39.125,162.848 39.125,136.683 TP2.1@43.283,132.525
TP15: DD8.7 TP1.1 | length 47.5
  Top Layer w0.254: DD8.7@37.275,172.004 37.275,170.6 v1@37.6,170.275
  Bottom Layer w0.254: v1(37.675,170.25) 37.675,170.241 37.152,169.718 37.152,165.964 40.42,162.696 40.42,161.38 49.225,152.575 49.225,139 TP1.1@55.7,132.525
TX: DD7.40 R57.2 | length 6.7
  Top Layer w0.2: DD7.40@27.325,75.221 DD7.40@27.325,75.221 27.327,75.659 27.695,76.027 31.352,76.027 32.42,77.095 32.532,77.095 R57.2@32.882,77.445
USB_OTG_FC_DM: DA1.4 DD1.71 | length 4.2
  Top Layer w0.254: DD1.71@88.575,53.575 88.575,51.925 89.35,51.15 DA1.4@89.35,49.68
USB_OTG_FC_DP: DA1.6 DD1.70 | length 4.3
  Top Layer w0.254: DA1.6@87.45,49.68 87.45,51.294 88.075,51.919 DD1.70@88.075,53.675
VBUS: C65.1 DA1.5 VD2.1 XS2.A4_B9 XS2.B4_A9 | length 18.7
  Top Layer w0.254: XS2.A4_B9@85.99,41.74 86.163,41.567 86.163,41.1 86.779,40.484 90.001,40.484 90.617,41.1 90.617,41.492 XS2.B4_A9@90.85,41.725
  Top Layer w0.4: DA1.5@88.4,49.68 88.413,49.667 88.413,48.787 88.775,48.425 89.54,48.425 92.639,45.325 VD2.1@92.964,45.325 ; XS2.B4_A9@90.79,41.74 90.79,42.736 91.024,42.97 92.595,42.97 92.964,43.339 VD2.1@92.964,45.325 ; VD2.1@92.964,45.361 VD2.1@92.964,45.325
XTAL_N: C75.2 DD7.44 ZQ2.3 | length 8.1
  Top Layer w0.2: DD7.44@25.725,75.221 25.725,75.753 26.1,76.127 26.1,77.397 25.624,77.873 25.624,79.099 26.163,79.638 26.813,79.638 27.217,80.042 27.217,80.272 ZQ2.3@27.371,80.426 ; ZQ2.3@27.375,80.425 C75.2@28.795,80.425
XTAL_P: C74.2 DD7.45 ZQ2.1 | length 8.8
  Top Layer w0.2: C74.2@24.9,82.195 C74.2@24.925,82.195 ; DD7.45@25.325,75.221 25.325,75.847 25.725,76.247 25.725,77.277 25.156,77.846 25.156,81.964 C74.2@24.925,82.195 ; ZQ2.1@26.228,82.174 26.207,82.195 C74.2@24.925,82.195
pads on no net: DA1.2 DD1.1 DD1.2 DD1.3 DD1.4 DD1.5 DD1.7 DD1.8 DD1.9 DD1.15 DD1.23 DD1.24 DD1.30 DD1.31 DD1.32 DD1.34 DD1.35 DD1.36 DD1.37 DD1.38 DD1.42 DD1.43 DD1.44 DD1.45 DD1.46 DD1.48 DD1.55 DD1.56 DD1.57 DD1.58 DD1.63 DD1.65 DD1.66 DD1.67 DD1.68 DD1.69 DD1.72 DD1.76 DD1.77 DD1.79 DD1.81 DD1.82 DD1.83 DD1.84 DD1.86 DD1.87 DD1.88 DD1.89 DD1.90 DD1.91 DD1.93 DD1.95 DD1.97 DD1.98 DD1.99 DD3.9 DD3.17 DD3.18 DD3.19 DD3.20 DD4.4 DD4.11 DD4.15 DD5.4 DD5.6 DD5.7 DD5.9 DD5.20 DD5.23 DD5.24 DD5.25 DD5.26 DD5.36 DD7.10 DD7.11 DD7.12 DD7.13 DD7.14 DD7.15 DD7.16 DD7.17 DD7.18 DD7.20 DD7.21 DD7.22 DD7.24 DD7.30 DD7.35 DD7.36 DD7.38 DD7.39 DD7.42 DD8.3 DD8.12 DD8.13 DD8.14 DD8.20 DD8.28 DD10.1 DD10.2 DD10.10 DD10.11 DD10.12 DD10.13 DD10.14 DD10.15 DD10.16 DD10.17 DD10.18 DD10.19 DD10.20 DD10.21 DD10.22 DD10.23 DD10.27 DD10.29 DD11.B1B DD11.B2B HL5.11 HL5.SH1 HL5.SH2 HL5.SH3 HL5.SH4 XP1.P1 XP1.P2 XP1.P3 XP1.P4 XP1.SWA XP2.3 XS1. XS1.4 XS2. XS2.A8 XS2.B8 XS3.4 ZQ1.3 ZQ1.4

## Polygon pours and split planes (outlines as drawn)
GND on Top Layer "GND_L01_P000" (solid, pour order 0): 9.5,35.623 cw(c9.5,35.75) 9.373,35.75 9.373,185.5 cw(c9.5,185.5) 9.5,185.627 128,185.627 cw(c128,185.5) 128.127,185.5 cw(c128,185.5) 128.025,185.375 cw(c128,185.25) 128.127,185.25 128.127,35.75 cw(c128,35.75) 128,35.623
GND on Bottom Layer "GND_L02_P001" (solid, pour order 1): 9.5,35.623 cw(c9.5,35.75) 9.373,35.75 9.373,185.5 cw(c9.5,185.5) 9.5,185.627 128,185.627 cw(c128,185.5) 128.127,185.5 cw(c128,185.5) 128.025,185.375 cw(c128,185.25) 128.127,185.25 128.127,35.75 cw(c128,35.75) 128,35.623

## Other copper
Top Layer:
  pour cut-out: 12.075,74.575 14.175,74.575 14.175,68.85 14.15,68.825 14.125,68.85 12.05,68.85
  region net 5V: 98.55,55.4 100.35,55.4 100.35,44.375 94.5,44.375 94.325,44.55 94.325,45.925 98.225,46.5
Bottom Layer:
  pour cut-out: 12.075,74.575 14.175,74.575 14.175,68.85 12.05,68.85

## Text inside footprints (layer, text, board x,y; h text height)
DD5: Mechanical 13 "*" at 27.79,57.407 h1.27 r270
DD7: Mechanical 13 "*" at 23.442,74.04 h1.27; Top Overlay "*" at 21.725,74.05 h1.27
DD8: Mechanical 13 "*" at 41.525,172.725 h1.27 r270; Top Overlay "*" at 41.525,172.725 h1.27 r270
VD1: Mechanical 13 "*" at 97.04,49.635 h1.27 r180
VD2: Mechanical 13 "*" at 93.11,44.715 h1.27
ZQ2: Mechanical 13 "*" at 25.911,81.059 h1.27; Top Overlay "*" at 25.911,82.807 h1.27